# KiCad board Duet3_MB.kicad_pcb (continued)
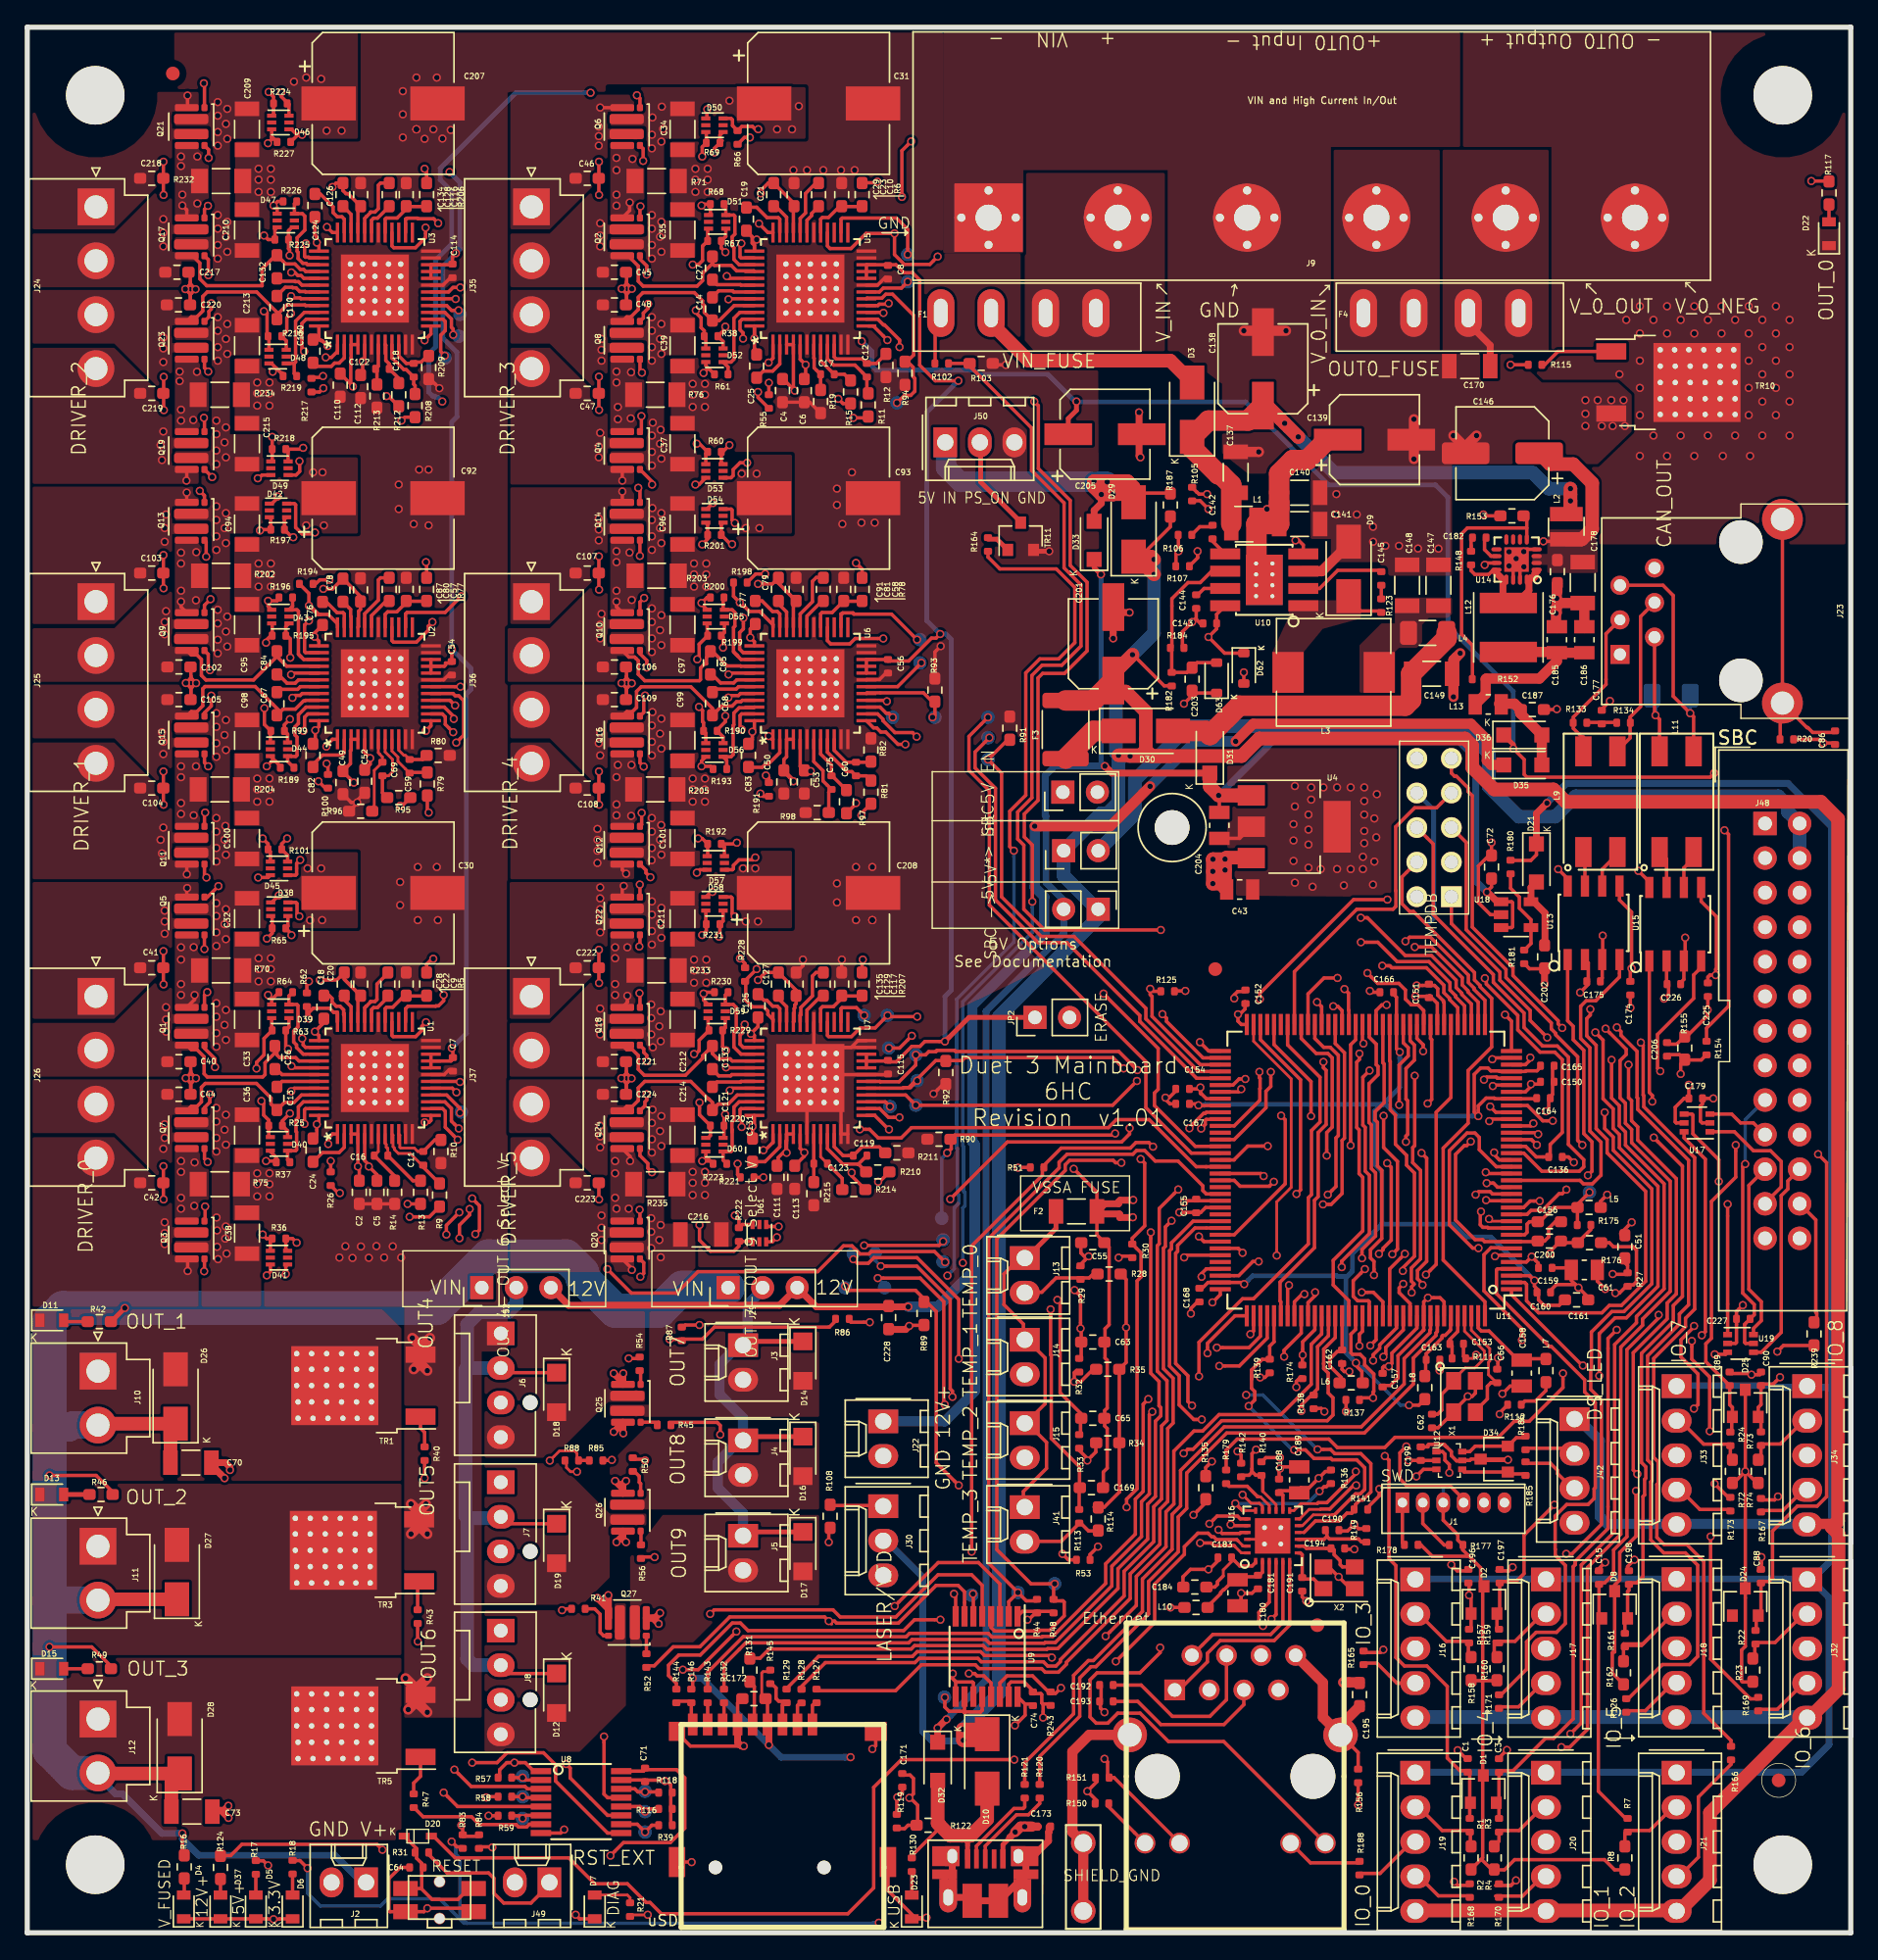
[diagram p0: board, top side]
## Placement (name value [footprint] x y rotation side) (continued)
J22  GND 12V+  [Wurth_61900211121-1x02_P2.54mm_Vertical-(Molex_KK-254_AE-6410-02Acompatible)]  62.9 36.3 270 top
J23  CAN_OUT  [RJ11_6P6C_half_shield]  125.93 97.1 90 top
J24  DRIVER_2  [JST_VH_B4P-VH_1x04_P3.96mm_Vertical]  5.05 126.8 270 top
J25  DRIVER_1  [JST_VH_B4P-VH_1x04_P3.96mm_Vertical]  5.05 97.8 270 top
J26  DRIVER_0  [JST_VH_B4P-VH_1x04_P3.96mm_Vertical]  5.05 68.8 270 top
J27  uSD_Socket  [uSD_SKT]  55.5 4.8 0 top
J28  TEMPDB  [MAX_TEMP_DB]  103.38 81.2 90 top
J29  OUT 7- OUT 9 Select V  [PinHeader_1x03_P2.54mm_Vertical]  51.5 47.4 90 top
J30  LASER/VFD  [Wurth_61900311121-1x03_P2.54mm_Vertical(Molex_KK-254_AE-6410-03A_Compatible)]  62.9 28.8 270 top
J32  IO_6  [Wurth_61900511121-1x05_P2.54mm_Vertical(Molex_KK-254_AE-6410-05A_Compatibe)]  130.8 20.88 270 top
J33  IO_7  [Wurth_61900511121-1x05_P2.54mm_Vertical(Molex_KK-254_AE-6410-05A_Compatibe)]  121.2 35.08 270 top
J34  IO_8  [Wurth_61900511121-1x05_P2.54mm_Vertical(Molex_KK-254_AE-6410-05A_Compatibe)]  130.8 35.08 270 top
J35  DRIVER_3  [JST_VH_B4P-VH_1x04_P3.96mm_Vertical]  37.05 126.8 270 top
J36  DRIVER_4  [JST_VH_B4P-VH_1x04_P3.96mm_Vertical]  37.05 97.8 270 top
J37  DRIVER_5  [JST_VH_B4P-VH_1x04_P3.96mm_Vertical]  37.05 68.8 270 top
J41  TEMP_3  [Wurth_61900211121-1x02_P2.54mm_Vertical-(Molex_KK-254_AE-6410-02Acompatible)]  73.3 30 270 top
J42  DS_LED  [Wurth_61900411121-1x04_P2.54mm_Vertical(Molex_KK-254_AE-6410-04A_Compatible)]  113.7 33.93 270 top
J43  USB  [uUSB_new]  70.4 2.6 0 top
J45  SHIELD_GND  [2.8mm_Spade_terminal]  77.6 4.1 180 top
J46  Ethernet  [RJ45+MAG]  88.76 11.49 180 top
J48  SBC  [IDC-Header_2x13_P2.54mm_Vertical]  127.7 81.5 0 top
J49  RST_EXT  [Wurth_61900211121-1x02_P2.54mm_Vertical-(Molex_KK-254_AE-6410-02Acompatible)]  37.1 3.7 180 top
J50  5V IN PS_ON GND  [Wurth_61900311121-1x03_P2.54mm_Vertical(Molex_KK-254_AE-6410-03A_Compatible)]  70 109.5 0 top
J52  OUT 4- OUT 6 Select V  [PinHeader_1x03_P2.54mm_Vertical]  33.4 47.4 90 top
JP1  Int 5V EN  [PinHeader_1x02_P2.54mm_Vertical]  76.1 83.8 90 top
JP2  ERASE  [PinHeader_1x02_P2.54mm_Vertical]  74.05 67.25 90 top
JP4  5V -> SBC  [PinHeader_1x02_P2.54mm_Vertical]  76.16 79.5 90 top
JP5  SBC -> 5V*  [PinHeader_1x02_P2.54mm_Vertical]  78.7 75.2 270 top
L1  1uH  [L_1008_2512Metric]  89.4 103.5 180 top
L2  1uH  [L_1008_2512Metric]  113.1 103.3 90 top
L3  6.8uH  [L_Wuerth_HCC-7443340680]  96 92.6 180 top
L4  80 Ohms @ 100MHz  [L_1206_3216Metric]  102.9 95.5 180 top
L5  1K @100Mhz  [R_0603_1608Metric_Wbry]  114.77 53.29 180 top
L6  1K @100Mhz  [R_0603_1608Metric_Wbry]  97.29 40.4 0 top
L7  1K @100Mhz  [R_0603_1608Metric_Wbry]  111.6 41.3 270 top
L8  1K @100Mhz  [R_0603_1608Metric_Wbry]  102.7 40.05 270 top
L9  CM Choke  [DR331]  115.6 83.1 90 top
L10  1K @100Mhz  [R_0603_1608Metric_Wbry]  85.89 23.9 0 top
L11  CM Choke  [DR331]  121.2 83.1 90 top
L12  4u7  [L_Taiyo-Yuden_NR-50xx]  108.84 95.9 90 top
L13  100 ohm, 4 A  [L_0805_2012Metric]  107.36 90.25 180 top
M1  FID  [Fiducial_1mm_Dia_2mm_Outer]  10.7 136.6 0 top
M2  FID  [Fiducial_1mm_Dia_2mm_Outer]  94.8 22.6 0 top
M3  FID  [Fiducial_1mm_Dia_2mm_Outer]  87.3 70.8 0 top
M4  MOUNTING  [MountingHole_4.3mm_M4]  5 135 0 top
M5  MOUNTING  [MountingHole_4.3mm_M4]  129 135 0 top
M6  MOUNTING  [MountingHole_4.3mm_M4]  5 5 0 top
M7  MOUNTING  [MountingHole_4.3mm_M4]  129 5 0 top
M9  FID  [Fiducial_1mm_Dia_2mm_Outer]  128.7 11.2 0 top
NT1  Net-Tie_2  [NetTie-2_SMD_Pad0.5mm]  80.81 53.82 0 top
NT2  Net-Tie_2  [NetTie-2_SMD_Pad0.5mm]  80.78 52.55 0 top
Q1  Q_DUAL_NMOS  [Fairchild_DualPower33-6_3x3mm]  12.05 66.6 270 top
Q2  Q_DUAL_NMOS  [Fairchild_DualPower33-6_3x3mm]  44.05 124.6 270 top
Q3  Q_DUAL_NMOS  [Fairchild_DualPower33-6_3x3mm]  12.05 50.9 270 top
Q4  Q_DUAL_NMOS  [Fairchild_DualPower33-6_3x3mm]  44.05 108.9 270 top
Q5  Q_DUAL_NMOS  [Fairchild_DualPower33-6_3x3mm]  12.05 74.7 270 top
Q6  Q_DUAL_NMOS  [Fairchild_DualPower33-6_3x3mm]  44.05 132.7 270 top
Q7  Q_DUAL_NMOS  [Fairchild_DualPower33-6_3x3mm]  12.05 59 270 top
Q8  Q_DUAL_NMOS  [Fairchild_DualPower33-6_3x3mm]  44.05 117 270 top
Q9  Q_DUAL_NMOS  [Fairchild_DualPower33-6_3x3mm]  12.05 95.6 270 top
Q10  Q_DUAL_NMOS  [Fairchild_DualPower33-6_3x3mm]  44.05 95.6 270 top
Q11  Q_DUAL_NMOS  [Fairchild_DualPower33-6_3x3mm]  12.05 79.9 270 top
Q12  Q_DUAL_NMOS  [Fairchild_DualPower33-6_3x3mm]  44.05 79.9 270 top
Q13  Q_DUAL_NMOS  [Fairchild_DualPower33-6_3x3mm]  12.05 103.7 270 top
Q14  Q_DUAL_NMOS  [Fairchild_DualPower33-6_3x3mm]  44.05 103.7 270 top
Q15  Q_DUAL_NMOS  [Fairchild_DualPower33-6_3x3mm]  12.05 88 270 top
Q16  Q_DUAL_NMOS  [Fairchild_DualPower33-6_3x3mm]  44.05 88 270 top
Q17  Q_DUAL_NMOS  [Fairchild_DualPower33-6_3x3mm]  12.05 124.6 270 top
Q18  Q_DUAL_NMOS  [Fairchild_DualPower33-6_3x3mm]  44.05 66.6 270 top
Q19  Q_DUAL_NMOS  [Fairchild_DualPower33-6_3x3mm]  12.05 108.9 270 top
Q20  Q_DUAL_NMOS  [Fairchild_DualPower33-6_3x3mm]  44.05 50.9 270 top
Q21  Q_DUAL_NMOS  [Fairchild_DualPower33-6_3x3mm]  12.05 132.7 270 top
Q22  Q_DUAL_NMOS  [Fairchild_DualPower33-6_3x3mm]  44.05 74.7 270 top
Q23  Q_DUAL_NMOS  [Fairchild_DualPower33-6_3x3mm]  12.05 117 270 top
Q24  Q_DUAL_NMOS  [Fairchild_DualPower33-6_3x3mm]  44.05 59 270 top
Q25  Q_DUAL_NMOS  [Fairchild_DualPower33-6_3x3mm]  44.1 38.9 270 top
Q26  Q_DUAL_NMOS  [Fairchild_DualPower33-6_3x3mm]  44.1 30.9 270 top
Q27  Q_DUAL_NMOS  [Fairchild_DualPower33-6_3x3mm]  44.1 22.8 180 top
R1  10K  [R_0402_1005Metric_Wbry]  106 7.9 270 top
R2  27K  [R_0603_1608Metric_Wbry]  106.1 5.5 270 top
R3  10K  [R_0402_1005Metric_Wbry]  108.15 7.9 270 top
R4  27K  [R_0603_1608Metric_Wbry]  107.8 5.5 270 top
R5  2R2 1%  [R_0603_1608Metric_Wbry]  29.35 69.7 270 top
R6  2R2 1%  [R_0603_1608Metric_Wbry]  61.35 127.7 270 top
R7  10K  [R_0402_1005Metric_Wbry]  117.6 7.9 270 top
R8  27K  [R_0603_1608Metric_Wbry]  117.4 5.5 270 top
R9  47R 1%  [R_0603_1608Metric_Wbry]  30.3 54.2 270 top
R10  47R 1%  [R_0603_1608Metric_Wbry]  30.4 57.4 270 top
R11  47R 1%  [R_0603_1608Metric_Wbry]  61.8 112.25 270 top
R12  47R 1%  [R_0603_1608Metric_Wbry]  63.1 115.15 270 top
R13  47R 1%  [R_0603_1608Metric_Wbry]  28.9 54.4 270 top
R14  47R 1%  [R_0603_1608Metric_Wbry]  27 54.4 270 top
R15  47R 1%  [R_0603_1608Metric_Wbry]  60.5 113.2 270 top
R16  10K  [R_0603_1608Metric_Wbry]  11.54 4.84 270 top
R17  2K2  [R_0402_1005Metric_Wbry]  16.8 4.8 270 top
R18  180R  [R_0402_1005Metric_Wbry]  19.5 4.82 270 top
R19  47R 1%  [R_0603_1608Metric_Wbry]  58.3 112.5 270 top
R20  100K  [R_0402_1005Metric_Wbry]  129.3 87.68 0 top
R21  1K  [R_0402_1005Metric_Wbry]  44.3 1.7 90 top
R22  10K  [R_0402_1005Metric_Wbry]  127 21.71 270 top
R23  27K  [R_0603_1608Metric_Wbry]  126.8 19.3 270 top
R24  10K  [R_0402_1005Metric_Wbry]  125.15 36.29 270 top
R25  150R  [R_0402_1005Metric_Wbry]  18.25 59.3 180 top
R26  150R  [R_0402_1005Metric_Wbry]  22.3 55.4 270 top
R27  10K  [R_0402_1005Metric_Wbry]  117.6 47.99 90 top
R28  2K2 0.1%  [R_0603_1608Metric_Wbry]  79.5 48.4 180 top
R29  10K  [R_0402_1005Metric_Wbry]  77.4 48.5 90 top
R30  10K  [R_0402_1005Metric_Wbry]  81.2 50.1 270 top
R31  220R  [R_0402_1005Metric_Wbry]  29 5.9 180 top
R32  10K  [R_0402_1005Metric_Wbry]  77.3 41.7 90 top
R33  10K  [R_0402_1005Metric_Wbry]  77.3 36.1 90 top
R34  2K2 0.1%  [R_0603_1608Metric_Wbry]  79.4 36 180 top
R35  2K2 0.1%  [R_0603_1608Metric_Wbry]  79.4 41.4 180 top
R36  150R  [R_0402_1005Metric_Wbry]  18.5 51 180 top
R37  150R  [R_0402_1005Metric_Wbry]  18.8 56.61 180 top
R38  150R  [R_0402_1005Metric_Wbry]  50.25 117.3 180 top
R39  10K  [R_0402_1005Metric_Wbry]  46.9 7.9 180 top
R40  180R  [R_0402_1005Metric_Wbry]  29.2 35.2 270 top
R41  1K  [R_0402_1005Metric_Wbry]  40.5 23.8 180 top
R42  4K7  [R_0603_1608Metric_Wbry]  5.3 44.9 0 top
R43  180R  [R_0402_1005Metric_Wbry]  28.69 23.23 270 top
R44  10K  [R_0402_1005Metric_Wbry]  74.2 24 90 top
R45  1K  [R_0402_1005Metric_Wbry]  46.8 37.3 0 top
R46  4K7  [R_0603_1608Metric_Wbry]  5.43 32.2 0 top
R47  180R  [R_0402_1005Metric_Wbry]  28.4 9.7 270 top
R48  10K  [R_0402_1005Metric_Wbry]  75.42 24 90 top
R49  4K7  [R_0603_1608Metric_Wbry]  5.3 19.4 0 top
R50  1K  [R_0402_1005Metric_Wbry]  44.5 34.4 90 top
R51  10K  [R_0402_1005Metric_Wbry]  74.21 56.23 0 top
R52  1K  [R_0402_1005Metric_Wbry]  45.5 20 270 top
R53  10K  [R_0402_1005Metric_Wbry]  77.6 27.4 0 top
R54  1K  [R_0402_1005Metric_Wbry]  45 41.8 90 top
R55  150R  [R_0402_1005Metric_Wbry]  54.5 112.5 270 top
R56  1K  [R_0402_1005Metric_Wbry]  45.1 28 270 top
R57  10K  [R_0402_1005Metric_Wbry]  35.1 11.4 0 top
R58  10K  [R_0402_1005Metric_Wbry]  35.1 10 0 top
R59  10K  [R_0402_1005Metric_Wbry]  35.1 8.6 0 top
R60  150R  [R_0402_1005Metric_Wbry]  50.5 108.8 180 top
R61  150R  [R_0402_1005Metric_Wbry]  51 114.5 180 top
R62  150R  [R_0402_1005Metric_Wbry]  20.55 68.55 90 top
R63  150R  [R_0402_1005Metric_Wbry]  18.5 66.3 180 top
R64  150R  [R_0402_1005Metric_Wbry]  19 69.1 180 top
R65  150R  [R_0402_1005Metric_Wbry]  18.5 73.8 180 top
R66  150R  [R_0402_1005Metric_Wbry]  52.2 131.9 270 top
R67  150R  [R_0402_1005Metric_Wbry]  50.5 124.3 180 top
R68  150R  [R_0402_1005Metric_Wbry]  50.7 127 180 top
R69  150R  [R_0402_1005Metric_Wbry]  50.4 131.5 180 top
R70  0R05 1% 1W  [R_1206_3216Metric_Pad1.24x1.80mm_HandSolder]  14.25 70.7 180 top
R71  0R05 1% 1W  [R_1206_3216Metric_Pad1.24x1.80mm_HandSolder]  46.25 128.7 180 top
R72  27K  [R_0603_1608Metric_Wbry]  125.3 33.9 270 top
R73  10K  [R_0402_1005Metric_Wbry]  127.4 36.3 270 top
R74  27K  [R_0603_1608Metric_Wbry]  127.2 33.9 270 top
R75  0R05 1% 1W  [R_1206_3216Metric_Pad1.24x1.80mm_HandSolder]  14.15 55 180 top
R76  0R05 1% 1W  [R_1206_3216Metric_Pad1.24x1.80mm_HandSolder]  46.15 113 180 top
R77  2R2 1%  [R_0603_1608Metric_Wbry]  29.35 98.7 270 top
R78  2R2 1%  [R_0603_1608Metric_Wbry]  61.35 98.7 270 top
R79  47R 1%  [R_0603_1608Metric_Wbry]  29.4 84.4 270 top
R80  47R 1%  [R_0603_1608Metric_Wbry]  30.2 86.5 0 top
R81  47R 1%  [R_0603_1608Metric_Wbry]  62 83.8 270 top
R82  47R 1%  [R_0603_1608Metric_Wbry]  62 86.9 90 top
R83  10K  [R_0402_1005Metric_Wbry]  32 6.7 270 top
R84  10K  [R_0402_1005Metric_Wbry]  33.2 6.7 270 top
R85  10K  [R_0402_1005Metric_Wbry]  41.8 34.7 0 top
R86  10K  [R_0402_1005Metric_Wbry]  59.9 45.1 0 top
R87  10K  [R_0402_1005Metric_Wbry]  48.1 44 90 top
R88  10K  [R_0402_1005Metric_Wbry]  40.01 34.7 180 top
R89  4K7  [R_0603_1608Metric_Wbry]  65.9 45.5 270 top
R90  4K7  [R_0603_1608Metric_Wbry]  67 58.3 180 top
R91  4K7  [R_0603_1608Metric_Wbry]  72.2 88.5 90 top
R92  4K7  [R_0603_1608Metric_Wbry]  67.5 63.2 270 top
R93  4K7  [R_0603_1608Metric_Wbry]  66.7 91.3 90 top
R94  4K7  [R_0603_1608Metric_Wbry]  64.5 114.57 270 top
R95  47R 1%  [R_0603_1608Metric_Wbry]  27.3 83.4 0 top
R96  47R 1%  [R_0603_1608Metric_Wbry]  24.5 82.4 180 top
R97  47R 1%  [R_0603_1608Metric_Wbry]  60.2 83.1 270 top
R98  47R 1%  [R_0603_1608Metric_Wbry]  58.05 82.3 180 top
R99  150R  [R_0402_1005Metric_Wbry]  18.4 88.3 180 top
R100  150R  [R_0402_1005Metric_Wbry]  22.1 84.6 270 top
R101  150R  [R_0402_1005Metric_Wbry]  18.2 79.6 180 top
R102  60K4  [R_0402_1005Metric_Wbry]  67.2 115.3 0 top
R103  4K7  [R_0603_1608Metric_Wbry]  70.1 115.3 0 top
R105  16K  [R_0402_1005Metric_Wbry]  85.6 105.7 90 top
R106  37K4  [R_0402_1005Metric_Wbry]  85.08 102.7 180 top
R107  100K  [R_0402_1005Metric_Wbry]  84.9 100.4 180 top
R108  100R  [R_0603_1608Metric_Wbry]  59 30.6 90 top
R109  DNP - 120R  [R_1206_3216Metric]  120.8 90.9 0 bottom
R111  5K62  [R_0402_1005Metric_Wbry]  105.2 42.2 180 top
R112  2R2  [R_0402_1005Metric_Wbry]  109.28 38.8 0 top
R113  10K  [R_0402_1005Metric_Wbry]  77.3 30.6 90 top
R114  2K2 0.1%  [R_0603_1608Metric_Wbry]  78.7 30.4 270 top
R115  180R  [R_0402_1005Metric_Wbry]  110.8 115.2 180 top
R116  10K  [R_0402_1005Metric_Wbry]  46.9 9.1 180 top
R117  4K7  [R_0603_1608Metric_Wbry]  132.4 127.83 90 top
R118  10K  [R_0402_1005Metric_Wbry]  46.9 10.3 180 top
R119  47K  [R_0402_1005Metric_Wbry]  63.9 8.2 90 top
R120  27R  [R_0402_1005Metric_Wbry]  74.4 10.4 90 top
R121  27R  [R_0402_1005Metric_Wbry]  73.3 10.4 90 top
R122  27K  [R_0603_1608Metric_Wbry]  66.2 7.9 180 top
R123  15R  [R_0402_1005Metric_Wbry]  99.5 97.5 90 top
R124  4K7  [R_0603_1608Metric_Wbry]  14.2 4.8 270 top
R125  10K  [R_0402_1005Metric_Wbry]  83.8 69.17 0 top
R126  470R  [R_0402_1005Metric_Wbry]  117.5 16.7 270 top
R127  220R  [R_0402_1005Metric_Wbry]  58 17.4 90 top
R128  220R  [R_0402_1005Metric_Wbry]  56.9 17.39 90 top
R129  220R  [R_0402_1005Metric_Wbry]  55.8 17.4 90 top
R130  2K2  [R_0402_1005Metric_Wbry]  65 5 270 top
R131  100R  [R_0603_1608Metric_Wbry]  53.1 19.3 90 top
R132  220R  [R_0402_1005Metric_Wbry]  51.2 17.4 90 top
R133  59R  [R_0402_1005Metric_Wbry]  114.1 88.9 0 top
R134  59R  [R_0402_1005Metric_Wbry]  117.3 88.9 0 top
R135  4K7  [R_0603_1608Metric_Wbry]  86.6 32.7 90 top
R136  1K  [R_0402_1005Metric_Wbry]  95.8 33.5 270 top
R137  10K DNP  [R_0402_1005Metric_Wbry]  97.4 39.15 180 top
R138  10K DNP  [R_0402_1005Metric_Wbry]  94.53 39 270 top
R139  1.5K DNP  [R_0402_1005Metric_Wbry]  91.3 41.64 90 top
R140  10K DNP  [R_0402_1005Metric_Wbry]  90.69 34.1 90 top
R141  1K  [R_0402_1005Metric_Wbry]  98 31.1 180 top
R142  10K  [R_0402_1005Metric_Wbry]  89.2 34 90 top
R143  220R  [R_0402_1005Metric_Wbry]  50 17.4 90 top
R144  220R  [R_0402_1005Metric_Wbry]  47.7 17.4 90 top
R145  10K  [R_0402_1005Metric_Wbry]  54.6 18.8 90 top
R146  10K  [R_0402_1005Metric_Wbry]  48.8 17.4 90 top
R148  10R  [R_0402_1005Metric_Wbry]  106.1 101 270 top
R149  6K49  [R_0402_1005Metric_Wbry]  98.4 29.2 90 top
R150  470R  [R_0402_1005Metric_Wbry]  78.97 9.5 0 top
R151  10K  [R_0402_1005Metric_Wbry]  79 11.4 0 top
R152  60K4  [R_0402_1005Metric_Wbry]  106.69 92.1 180 top
R153  4K7  [R_0603_1608Metric_Wbry]  109.1 104.1 180 top
R154  60K4  [R_0402_1005Metric_Wbry]  123.4 65 270 top
R155  4K7  [R_0603_1608Metric_Wbry]  121.8 65 90 top
R156  1M  [R_0402_1005Metric_Wbry]  97.8 11.53 90 top
R157  10K  [R_0402_1005Metric_Wbry]  105.95 21.8 270 top
R158  27K  [R_0603_1608Metric_Wbry]  106.1 19.4 270 top
R159  10K  [R_0402_1005Metric_Wbry]  108.15 21.8 270 top
R160  27K  [R_0603_1608Metric_Wbry]  108 19.4 270 top
R161  10K  [R_0402_1005Metric_Wbry]  117.4 21.5 270 top
R162  27K  [R_0603_1608Metric_Wbry]  117.3 19.1 270 top
R164  1K  [R_0402_1005Metric_Wbry]  70.6 102 270 top
R165  470R  [R_0402_1005Metric_Wbry]  98.2 20.2 270 top
R166  470R  [R_0402_1005Metric_Wbry]  125.2 13.2 270 top
R167  470R  [R_0402_1005Metric_Wbry]  127.4 31.41 270 top
R168  470R  [R_0402_1005Metric_Wbry]  106 3.1 270 top
R169  470R  [R_0402_1005Metric_Wbry]  127.2 16.8 270 top
R170  470R  [R_0402_1005Metric_Wbry]  108.15 3.1 270 top
R171  470R  [R_0402_1005Metric_Wbry]  108.15 16.99 90 top
R173  470R  [R_0402_1005Metric_Wbry]  125.15 31.49 90 top
R174  10K  [R_0402_1005Metric_Wbry]  93.7 41.21 270 top
R175  15R  [R_0402_1005Metric_Wbry]  114.4 52 0 top
R176  4K7  [R_0603_1608Metric_Wbry]  114.8 50.7 0 top
R177  100K  [R_0402_1005Metric_Wbry]  105 28.49 0 top
R178  100K  [R_0402_1005Metric_Wbry]  101.7 28.5 0 top
R179  27R  [R_0402_1005Metric_Wbry]  88.1 33.5 270 top
R180  16K  [R_0402_1005Metric_Wbry]  109 78.3 270 top
R181  5K1  [R_0402_1005Metric_Wbry]  110 71.7 270 top
R182  820R  [R_0402_1005Metric_Wbry]  84.1 92.1 90 top
R184  150R  [R_0402_1005Metric_Wbry]  84.5 94.4 0 top
R185  470R  [R_0402_1005Metric_Wbry]  110.1 34.1 270 top
R186  470R  [R_0402_1005Metric_Wbry]  110.1 35.99 90 top
R187  220R >125mW  [R_0603_1608Metric_Wbry]  84 104.9 90 top
R188  470R  [R_0402_1005Metric_Wbry]  97.9 4.75 270 top
R189  150R  [R_0402_1005Metric_Wbry]  19.1 85.6 180 top
R190  150R  [R_0402_1005Metric_Wbry]  50.2 88.3 180 top
R191  150R  [R_0402_1005Metric_Wbry]  54.5 84 270 top
R192  150R  [R_0402_1005Metric_Wbry]  50.5 80 180 top
R193  150R  [R_0402_1005Metric_Wbry]  50.9 85.5 180 top
R194  150R  [R_0402_1005Metric_Wbry]  20.5 99.1 0 top
R195  150R  [R_0402_1005Metric_Wbry]  18.5 95.3 180 top
R196  150R  [R_0402_1005Metric_Wbry]  19 98.1 180 top
R197  150R  [R_0402_1005Metric_Wbry]  18.4 103.09 180 top
R198  150R  [R_0402_1005Metric_Wbry]  52.4 99.2 0 top
R199  150R  [R_0402_1005Metric_Wbry]  50.5 95.3 180 top
R200  150R  [R_0402_1005Metric_Wbry]  50.7 98.1 180 top
R201  150R  [R_0402_1005Metric_Wbry]  50.5 102.7 180 top
R202  0R05 1% 1W  [R_1206_3216Metric_Pad1.24x1.80mm_HandSolder]  14.25 99.7 180 top
R203  0R05 1% 1W  [R_1206_3216Metric_Pad1.24x1.80mm_HandSolder]  46.25 99.7 180 top
R204  0R05 1% 1W  [R_1206_3216Metric_Pad1.24x1.80mm_HandSolder]  14.15 84 180 top
R205  0R05 1% 1W  [R_1206_3216Metric_Pad1.24x1.80mm_HandSolder]  46.15 84 180 top
R206  2R2 1%  [R_0603_1608Metric_Wbry]  29.35 127.7 270 top
R207  2R2 1%  [R_0603_1608Metric_Wbry]  61.35 69.7 270 top
R208  47R 1%  [R_0603_1608Metric_Wbry]  28.5 112.2 270 top
R209  47R 1%  [R_0603_1608Metric_Wbry]  29.5 115 270 top
R210  47R 1%  [R_0603_1608Metric_Wbry]  62.5 55.9 0 top
R211  47R 1%  [R_0603_1608Metric_Wbry]  63.9 57.3 0 top
R212  47R 1%  [R_0603_1608Metric_Wbry]  27.3 113 270 top
R213  47R 1%  [R_0603_1608Metric_Wbry]  25.7 112.9 270 top
R214  47R 1%  [R_0603_1608Metric_Wbry]  60.74 54.6 0 top
R215  47R 1%  [R_0603_1608Metric_Wbry]  57.8 54.3 270 top
R216  150R  [R_0402_1005Metric_Wbry]  18.2 117.3 180 top
R217  150R  [R_0402_1005Metric_Wbry]  20.89 113.7 270 top
R218  150R  [R_0402_1005Metric_Wbry]  18.5 109 180 top
R219  150R  [R_0402_1005Metric_Wbry]  19.3 114.37 180 top
R220  150R  [R_0402_1005Metric_Wbry]  50.7 59.3 180 top
R221  150R  [R_0402_1005Metric_Wbry]  52.9 55.5 0 top
R222  150R  [R_0402_1005Metric_Wbry]  52.3 51.3 270 top
R223  150R  [R_0402_1005Metric_Wbry]  50.9 56.5 180 top
R224  150R  [R_0402_1005Metric_Wbry]  18.6 134.4 180 top
R225  150R  [R_0402_1005Metric_Wbry]  18.7 124.4 180 top
R226  150R  [R_0402_1005Metric_Wbry]  19.3 127.2 180 top
R227  150R  [R_0402_1005Metric_Wbry]  18.86 131.57 180 top
R228  150R  [R_0402_1005Metric_Wbry]  52.75 70.4 90 top
R229  150R  [R_0402_1005Metric_Wbry]  50.6 66.3 180 top
R230  150R  [R_0402_1005Metric_Wbry]  51 69.1 180 top
R231  150R  [R_0402_1005Metric_Wbry]  50.4 74.1 180 top
R232  0R05 1% 1W  [R_1206_3216Metric_Pad1.24x1.80mm_HandSolder]  14.25 128.7 180 top
R233  0R05 1% 1W  [R_1206_3216Metric_Pad1.24x1.80mm_HandSolder]  46.25 70.7 180 top
R234  0R05 1% 1W  [R_1206_3216Metric_Pad1.24x1.80mm_HandSolder]  14.15 113 180 top
R235  0R05 1% 1W  [R_1206_3216Metric_Pad1.24x1.80mm_HandSolder]  46.15 55 180 top
R239  1K  [R_0603_1608Metric_Wbry]  131.3 44 270 top
R243  10K  [R_0402_1005Metric_Wbry]  75.2 17.2 90 top
S1  RESET  [SW_SIDE_1_lugs]  30.3 2.4 0 top
TP1  D0_STEP  [TestPoint_Pad_D1.0mm]  60.1 47.4 90 bottom
TP2  D0_DIR  [TestPoint_Pad_D1.0mm]  63 47.4 90 bottom
TP3  D0_DIAG0  [TestPoint_Pad_D1.0mm]  62.3 49.9 0 bottom
TP4  D1_STEP  [TestPoint_Pad_D1.0mm]  67.2 52.5 0 bottom
TP5  D1_DIR  [TestPoint_Pad_D1.0mm]  67.3 50.9 0 bottom
TP6  D1_DIAG0  [TestPoint_Pad_D1.0mm]  67.3 49.3 0 bottom
TP7  OUT_0  [TestPoint_Pad_D1.0mm]  67.4 17.3 0 bottom
TP8  OUT_1  [TestPoint_Pad_D1.0mm]  36.4 11.5 0 bottom
TP9  OUT_2  [TestPoint_Pad_D1.0mm]  36.4 10 0 bottom
TP10  OUT_3  [TestPoint_Pad_D1.0mm]  36.4 8.4 0 bottom
TP11  OUT_4  [TestPoint_Pad_D1.0mm]  45.4 7.4 0 bottom
TP12  OUT_5  [TestPoint_Pad_D1.0mm]  45.4 10.4 0 bottom
TP13  OUT_6  [TestPoint_Pad_D1.0mm]  45.4 8.9 0 bottom
TP14  OUT_7  [TestPoint_Pad_D1.0mm]  72.8 25 180 bottom
TP15  OUT_8  [TestPoint_Pad_D1.0mm]  75.5 25.64 0 bottom
TP16  OUT_9  [TestPoint_Pad_D1.0mm]  69.4 24.8 0 bottom
TP17  D2_STEP  [TestPoint_Pad_D1.0mm]  70.6 86.2 0 bottom
TP18  D0_SDO  [TestPoint_Pad_D1.0mm]  31.9 60.3 0 bottom
TP19  D1_SDO  [TestPoint_Pad_D1.0mm]  31.7 117.3 0 bottom
TP20  D2_SDO  [TestPoint_Pad_D1.0mm]  31.8 118.9 0 bottom
TP21  D3_SDO  [TestPoint_Pad_D1.0mm]  63.6 89.3 0 bottom
TP22  D4_SDO  [TestPoint_Pad_D1.0mm]  63.4 60.7 0 bottom
TP23  D_ENN  [TestPoint_Pad_D1.0mm]  63.2 67.4 0 bottom
TP24  D_CS  [TestPoint_Pad_D1.0mm]  63.3 65 0 bottom
TP25  RXD1  [TestPoint_Pad_D1.0mm]  65.3 60.8 0 bottom
TP26  TXD1  [TestPoint_Pad_D1.0mm]  60.7 49.9 0 bottom
TP27  SCK1  [TestPoint_Pad_D1.0mm]  30.7 115.7 0 bottom
TP28  D2_DIR  [TestPoint_Pad_D1.0mm]  70.6 87.8 0 bottom
TP29  D2_DIAG0  [TestPoint_Pad_D1.0mm]  70.6 89.3 90 bottom
TP30  D3_STEP  [TestPoint_Pad_D1.0mm]  63.91 112.4 0 bottom
TP31  D3_DIR  [TestPoint_Pad_D1.0mm]  64.7 121.3 0 bottom
TP32  D3_DIAG0  [TestPoint_Pad_D1.0mm]  64.7 123.3 0 bottom
TP33  D4_STEP  [TestPoint_Pad_D1.0mm]  66.7 89.3 0 bottom
TP34  D4_DIR  [TestPoint_Pad_D1.0mm]  65.6 93.3 0 bottom
TP35  D4_DIAG0  [TestPoint_Pad_D1.0mm]  65.6 95 0 bottom
TP36  D5_STEP  [TestPoint_Pad_D1.0mm]  65.4 62.6 0 bottom
TP37  D5_DIR  [TestPoint_Pad_D1.0mm]  65.3 64.5 0 bottom
TP38  D5_DIAG0  [TestPoint_Pad_D1.0mm]  61.5 67.4 0 bottom
TP39  VREFP  [TestPoint_Pad_D1.0mm]  114.8 54.4 0 bottom
TR1  AOD4184A  [TO-252-2_vias]  24.7 40.2 180 top
TR3  AOD4184A  [TO-252-2_vias]  24.6 28.1 180 top
TR5  AOD4184A  [TO-252-2_vias]  24.7 15.2 180 top
TR10  IPD036N04L  [TO-252-2_vias]  120.6 113.9 0 top
TR11  AO3400A  [SOT-23]  73 102.6 90 top
U1  TMC5160  [TMC5160-TA]  25.55 62.8 90 top
U2  TMC5160  [TMC5160-TA]  25.55 91.8 90 top
U3  TMC5160  [TMC5160-TA]  25.55 120.8 90 top
U4  AP7361C-33E-13  [SOT-223]  93.1 81.26 0 top
U5  TMC5160  [TMC5160-TA]  57.55 120.8 90 top
U6  TMC5160  [TMC5160-TA]  57.55 91.8 90 top
U7  TMC5160  [TMC5160-TA]  57.55 62.8 90 top
U8  74HCT365  [TSSOP-16_4.4x5mm_P0.65mm]  40.7 9.6 0 top
U9  74HCT365  [TSSOP-16_4.4x5mm_P0.65mm]  70.5 20.3 270 top
U10  AOZ1284  [SO8_EP1_ThermalVias_LargeCopper]  90.9 99.4 180 top
U11  ATSAME70Q20B-AN  [LQFP-144_20x20mm_P0.5mm]  98.37 56.03 180 top
U12  74HCT2G34GW,125  [SOT-363]  104.5 34.7 270 top
U13  MCP2542  [SOIC-8_3.9x4.9mm_P1.27mm]  115.1 74.2 90 top
U14  TS30041  [QFN-16-1EP_3x3mm_P0.5mm_EP1.8x1.8mm]  109.44 100.89 180 top
U15  MCP2542  [SOIC-8_3.9x4.9mm_P1.27mm]  121.1 74.1 90 top
U16  KSZ8081RNACA  [KSZ8081RNA _QFN-24-1EP_4x4mm_P0.5mm_EP2.6x2.6mm]  91.52 29.16 90 top
U17  74LVC2G34  [SOT-363_SC-70-6]  122.7 59.5 180 top
U18  AP2127K-ADJ  [SOT-23-5]  109.4 74.8 0 top
U19  74LVC2G34  [SOT-363_SC-70-6]  125.9 43.3 0 top
X1  ECS-120-10-33B-CKM-TR  [Crystal_SMD_ECS-33B-4Pin_3.2x2.5mm]  105.62 39.4 270 top
X2  25Mhz  [Crystal_SMD_ECS-33B-4Pin_3.2x2.5mm]  96.4 26.08 0 top

## Library data of the parts
J28 = -: Field4: <10mm max height

## Footprints (pads in the part's own frame, mm; a bottom-side part is the same pattern mirrored in y, then rotated)
2.8mm_Spade_terminal
  round 1.8 hole 1.3: 1(0,2.5) 1(0,-2.5)
C_0402_1005Metric_Wbry
  rrect 0.5x0.6 smd: 1(-0.5,0) 2(0.5,0)
C_0603_1608Metric_Wbry
  rrect 0.9x0.8 smd: 1(-0.85,0) 2(0.85,0)
C_0805_2012Metric
  rect 0.97x1.5 smd: 1(-0.955,0) 2(0.955,0)
C_1206_3216Metric
  rect 1.07x1.8 smd: 1(-1.505,0) 2(1.505,0)
CP_Elec_6.3x7.7
  rect 3.5x1.6 smd: 1(-2.7,0) 2(2.7,0)
CP_Elec_6.3x7.7#2
  rrect 3.5x1.6 smd: 1(-2.7,0) 2(2.7,0)
CP_Elec_10x10
  rect 4x2.5 smd: 1(-4,0) 2(4,0)
Crystal_SMD_ECS-33B-4Pin_3.2x2.5mm
  rect 1.3x1.1 smd: 1(-1.15,-0.8) 2(1.15,-0.8) 3(1.15,0.8) 4(-1.15,0.8)
D_SMA
  rect 2.5x1.8 smd: 1(-2,0) 2(2,0)
D_SOD-123F
  rect 1.1x1.1 smd: 1(-1.4,0) 2(1.4,0)
D_SOD-323-Onsemi
  rrect 0.63x0.83 smd: 1(-1.115,0) 2(1.115,0)
DO-219AB
  rect 1.3x1.4 smd: 1(-1.45,0) 2(1.45,0)
DR331
  rect 2.2x1.2 smd: 1(-3.7,1.25) 2(-3.7,-1.25) 3(3.7,-1.25) 4(3.7,1.25)
Fairchild_DualPower33-6_3x3mm
  rrect 0.35x0.35 smd: (-1.39,0.975) (-1.39,0.325) (-1.39,-0.325) (-1.39,-0.975) (1.39,0.975) (1.39,0.325) (1.39,-0.325) (1.39,-0.975)
  rrect 0.65x0.8 smd: (-0.55,0.5) (-0.55,-0.5) (0.55,0.5) (0.55,-0.5)
  rrect 0.52x0.45 smd: 1(-1.39,0.975) 4(1.39,0.975)
  rrect 0.52x1.75 smd: 2(-1.39,-0.325) 3(1.39,-0.325)
  rrect 0.75x2.52 smd: 5(-0.55,0) 6(0.55,0)
FanPinHeader_1x04_P2.54mm_Vertical
  round 1.1 hole 1.1 unplated: (5.08,2.16)
  rect 1.73x2.03 hole 1.02: 1(0,0)
  oval 1.73x2.03 hole 1.02: 2(2.54,0) 3(5.08,0) 4(7.62,0)
Fiducial_1mm_Dia_2mm_Outer
  round 1 smd: ~(0,0)
Fuse_1206_3216Metric
  rect 1.07x1.8 smd: 1(-1.505,0) 2(1.505,0)
Fuse_1812_4532Metric
  rrect 1.125x3.4 smd: 1(-2.138,0) 2(2.138,0)
IDC-Header_2x13_P2.54mm_Vertical
  rect 1.727x1.727 hole 1.016: 1(0,0)
  oval 1.727x1.727 hole 1.016: 2(2.54,0) 3(0,-2.54) 4(2.54,-2.54) 5(0,-5.08) 6(2.54,-5.08) 7(0,-7.62) 8(2.54,-7.62) 9(0,-10.16) 10(2.54,-10.16) 11(0,-12.7) 12(2.54,-12.7) 13(0,-15.24) 14(2.54,-15.24) 15(0,-17.78) 16(2.54,-17.78) 17(0,-20.32) 18(2.54,-20.32) 19(0,-22.86) 20(2.54,-22.86) 21(0,-25.4) 22(2.54,-25.4) 23(0,-27.94) 24(2.54,-27.94) 25(0,-30.48) 26(2.54,-30.48)
JST_VH_B2P-VH-B_1x02_P3.96mm_Vertical
  rect 2.7x2.7 hole 1.7: 1(0,0)
  round 2.7 hole 1.7: 2(3.96,0)
JST_VH_B4P-VH_1x04_P3.96mm_Vertical
  rect 2.7x2.7 hole 1.7: 1(0,0)
  round 2.7 hole 1.7: 2(3.96,0) 3(7.92,0) 4(11.88,0)
JST_ZH_1x06_P1.5_B6B-ZR-SM4-TF
  rect 1x1.5 hole 0.7: 1(3.75,0)
  oval 1x1.5 hole 0.7: 2(2.25,0) 3(0.75,0) 4(-0.75,0) 5(-2.25,0) 6(-3.75,0)
KSZ8081RNA _QFN-24-1EP_4x4mm_P0.5mm_EP2.6x2.6mm
  rect 1x1 smd: (-0.6,0.6) (-0.6,-0.6) (0.6,0.6) (0.6,-0.6)
  rect 0.48x0.23 smd: 1(-1.86,1.25) 2(-1.86,0.75) 3(-1.86,0.25) 4(-1.86,-0.25) 5(-1.86,-0.75) 6(-1.86,-1.25) 13(1.86,-1.25) 14(1.86,-0.75) 15(1.86,-0.25) 16(1.86,0.25) 17(1.86,0.75) 18(1.86,1.25)
  rect 0.23x0.48 smd: 7(-1.25,-1.86) 8(-0.75,-1.86) 9(-0.25,-1.86) 10(0.25,-1.86) 11(0.75,-1.86) 12(1.25,-1.86) 19(1.25,1.86) 20(0.75,1.86) 21(0.25,1.86) 22(-0.25,1.86) 23(-0.75,1.86) 24(-1.25,1.86)
  round 0.6 hole 0.35: 25(-0.6,0.6) 25(-0.6,-0.6) 25(0.6,0.6) 25(0.6,-0.6)
  rect 2.6x2.6 smd: 25(0,0)
L_0805_2012Metric
  rect 0.97x1.5 smd: 1(-0.955,0) 2(0.955,0)
L_1008_2512Metric
  rect 1.05x2.4 smd: 1(-0.925,0) 2(0.925,0)
L_1206_3216Metric
  rrect 1.25x1.75 smd: 1(-1.4,0) 2(1.4,0)
L_Taiyo-Yuden_NR-50xx
  rect 1.5x4.2 smd: 1(-1.8,0) 2(1.8,0)
L_Wuerth_HCC-7443340680
  rect 2.3x3 smd: 1(-3.35,0) 2(3.35,0)
LED_0603_1608Metric
  rect 0.67x1 smd: 1(-0.875,0) 2(0.875,0)
LQFP-144_20x20mm_P0.5mm
  rect 1.55x0.3 smd: 1(-10.7,8.75) 2(-10.7,8.25) 3(-10.7,7.75) 4(-10.7,7.25) 5(-10.7,6.75) 6(-10.7,6.25) 7(-10.7,5.75) 8(-10.7,5.25) 9(-10.7,4.75) 10(-10.7,4.25) 11(-10.7,3.75) 12(-10.7,3.25) 13(-10.7,2.75) 14(-10.7,2.25) 15(-10.7,1.75) 16(-10.7,1.25) 17(-10.7,0.75) 18(-10.7,0.25) 19(-10.7,-0.25) 20(-10.7,-0.75) 21(-10.7,-1.25) 22(-10.7,-1.75) 23(-10.7,-2.25) 24(-10.7,-2.75) 25(-10.7,-3.25) 26(-10.7,-3.75) 27(-10.7,-4.25) 28(-10.7,-4.75) 29(-10.7,-5.25) 30(-10.7,-5.75) 31(-10.7,-6.25) 32(-10.7,-6.75) 33(-10.7,-7.25) 34(-10.7,-7.75) 35(-10.7,-8.25) 36(-10.7,-8.75) 73(10.7,-8.75) 74(10.7,-8.25) 75(10.7,-7.75) 76(10.7,-7.25) 77(10.7,-6.75) 78(10.7,-6.25) 79(10.7,-5.75) 80(10.7,-5.25) 81(10.7,-4.75) 82(10.7,-4.25) 83(10.7,-3.75) 84(10.7,-3.25) 85(10.7,-2.75) 86(10.7,-2.25) 87(10.7,-1.75) 88(10.7,-1.25) 89(10.7,-0.75) 90(10.7,-0.25) 91(10.7,0.25) 92(10.7,0.75) 93(10.7,1.25) 94(10.7,1.75) 95(10.7,2.25) 96(10.7,2.75) 97(10.7,3.25) 98(10.7,3.75) 99(10.7,4.25) 100(10.7,4.75) 101(10.7,5.25) 102(10.7,5.75) 103(10.7,6.25) 104(10.7,6.75) 105(10.7,7.25) 106(10.7,7.75) 107(10.7,8.25) 108(10.7,8.75)
  rect 0.3x1.55 smd: 37(-8.75,-10.7) 38(-8.25,-10.7) 39(-7.75,-10.7) 40(-7.25,-10.7) 41(-6.75,-10.7) 42(-6.25,-10.7) 43(-5.75,-10.7) 44(-5.25,-10.7) 45(-4.75,-10.7) 46(-4.25,-10.7) 47(-3.75,-10.7) 48(-3.25,-10.7) 49(-2.75,-10.7) 50(-2.25,-10.7) 51(-1.75,-10.7) 52(-1.25,-10.7) 53(-0.75,-10.7) 54(-0.25,-10.7) 55(0.25,-10.7) 56(0.75,-10.7) 57(1.25,-10.7) 58(1.75,-10.7) 59(2.25,-10.7) 60(2.75,-10.7) 61(3.25,-10.7) 62(3.75,-10.7) 63(4.25,-10.7) 64(4.75,-10.7) 65(5.25,-10.7) 66(5.75,-10.7) 67(6.25,-10.7) 68(6.75,-10.7) 69(7.25,-10.7) 70(7.75,-10.7) 71(8.25,-10.7) 72(8.75,-10.7) 109(8.75,10.7) 110(8.25,10.7) 111(7.75,10.7) 112(7.25,10.7) 113(6.75,10.7) 114(6.25,10.7) 115(5.75,10.7) 116(5.25,10.7) 117(4.75,10.7) 118(4.25,10.7) 119(3.75,10.7) 120(3.25,10.7) 121(2.75,10.7) 122(2.25,10.7) 123(1.75,10.7) 124(1.25,10.7) 125(0.75,10.7) 126(0.25,10.7) 127(-0.25,10.7) 128(-0.75,10.7) 129(-1.25,10.7) 130(-1.75,10.7) 131(-2.25,10.7) 132(-2.75,10.7) 133(-3.25,10.7) 134(-3.75,10.7) 135(-4.25,10.7) 136(-4.75,10.7) 137(-5.25,10.7) 138(-5.75,10.7) 139(-6.25,10.7) 140(-6.75,10.7) 141(-7.25,10.7) 142(-7.75,10.7) 143(-8.25,10.7) 144(-8.75,10.7)
MAX_TEMP_DB
  round 2.54 hole 2.54 unplated: (0,19.251)
  rect 1.524x1.524 hole 1: 1(-5.08,-1.27)
  round 1.524 hole 1: 2(-5.08,1.27) 3(-2.54,-1.27) 4(-2.54,1.27) 5(0,-1.27) 6(0,1.27) 7(2.54,-1.27) 8(2.54,1.27) 9(5.08,-1.27) 10(5.08,1.27)
MCCQ-122-minibladefuseholder
  oval 2x3.5 hole 1x2.1: 1(0,0) 1(3.7,0) 2(7.7,0) 2(11.4,0)
MountingHole_4.3mm_M4
  round 4.3 hole 4.3 unplated: (0,0)
NetTie-2_SMD_Pad0.5mm
  round 0.5 smd: 1(-0.5,0) 2(0.5,0)
PinHeader_1x02_P2.54mm_Vertical
  rect 1.7x1.7 hole 1: 1(0,0)
  oval 1.7x1.7 hole 1: 2(0,-2.54)
PinHeader_1x03_P2.54mm_Vertical
  rect 1.7x1.7 hole 1: 1(0,0)
  oval 1.7x1.7 hole 1: 2(0,-2.54) 3(0,-5.08)
QFN-16-1EP_3x3mm_P0.5mm_EP1.8x1.8mm
  rect 0.73x0.73 smd: (-0.45,0.45) (-0.45,-0.45) (0.45,0.45) (0.45,-0.45)
  oval 0.75x0.3 smd: 1(-1.475,0.75) 2(-1.475,0.25) 3(-1.475,-0.25) 4(-1.475,-0.75) 9(1.475,-0.75) 10(1.475,-0.25) 11(1.475,0.25) 12(1.475,0.75)
  oval 0.3x0.75 smd: 5(-0.75,-1.475) 6(-0.25,-1.475) 7(0.25,-1.475) 8(0.75,-1.475) 13(0.75,1.475) 14(0.25,1.475) 15(-0.25,1.475) 16(-0.75,1.475)
  rect 1.8x1.8 smd: 17(0,0)
R_0402_1005Metric_Wbry
  rrect 0.5x0.6 smd: 1(-0.5,0) 2(0.5,0)
R_0603_1608Metric_Wbry
  rrect 0.9x0.8 smd: 1(-0.85,0) 2(0.85,0)
R_1206_3216Metric
  rrect 1.25x1.75 smd: 1(-1.4,0) 2(1.4,0)
R_1206_3216Metric_Pad1.24x1.80mm_HandSolder
  rect 1.245x1.8 smd: 1(-1.593,0) 2(1.593,0)
RJ11_6P6C_half_shield
  round 3.2 hole 3.2 unplated: (-5.08,0) (5.08,0)
  rect 1.4x1.4 hole 0.89: 1(-3.175,8.89)
  round 1.4 hole 0.89: 2(-1.905,6.35) 4(0.635,6.35) 5(1.905,8.89) 6(3.175,6.35)
  round 1.4 hole 0.8: 3(-0.635,8.89)
  round 3 hole 1.7: 7(-6.75,-3.05) 8(6.75,-3.05)
RJ45+MAG
  round 3.299 hole 3.299 unplated: (-5.715,0) (5.715,0)
  rect 1.524x1.524 hole 1.001: 1(4.44,-6.35)
  round 1.524 hole 1.001: 2(3.175,-8.89) 3(1.9,-6.35) 4(0.635,-8.89) 5(-0.64,-6.35) 6(-1.905,-8.89) 7(-3.18,-6.35) 8(-4.445,-8.89)
  round 1.524 hole 1.199: 9(6.624,4.9) 10(4.084,4.9) 11(-4.084,4.9) 12(-6.624,4.9)
  round 2.54 hole 1.75: 13(7.747,-3.051) 14(-7.747,-3.048)
screwt-barrier-9.5mm-1x6
  round 1 hole 0.6: 1(21.75,0) 1(23.75,2) 1(23.75,-2) 1(25.75,0) 2(12.25,0) 2(14.25,2) 2(14.25,-2) 2(16.25,0) 3(2.75,0) 3(4.75,2) 3(4.75,-2) 3(6.75,0) 4(-6.75,0) 4(-4.75,2) 4(-4.75,-2) 4(-2.75,0) 5(-16.25,0) 5(-14.25,2) 5(-14.25,-2) 5(-12.25,0) 6(-25.75,0) 6(-23.75,2) 6(-23.75,-2) 6(-21.75,0)
  rect 5x5 hole 1.9: 1(23.75,0) 1(23.75,0)
  round 3 hole 1.9: 2(14.25,0) 3(4.75,0) 4(-4.75,0) 5(-14.25,0) 6(-23.75,0)
  round 5 hole 1.9: 2(14.25,0) 3(4.75,0) 4(-4.75,0) 5(-14.25,0) 6(-23.75,0)
SO8_EP1_ThermalVias_LargeCopper
  rect 2.2x0.8 smd: 1(-2.87,1.905) 2(-2.87,0.635) 3(-2.87,-0.635) 4(-2.87,-1.905) 5(2.87,-1.905) 6(2.87,-0.635) 7(2.87,0.635) 8(2.87,1.905)
  round 0.6 hole 0.3: 9(-0.6,1.2) 9(-0.6,0.4) 9(-0.6,-0.4) 9(-0.6,-1.2) 9(0.6,1.2) 9(0.6,0.4) 9(0.6,-0.4) 9(0.6,-1.2)
  rect 1.2x1.6 smd: 9(-0.6,0.8) 9(-0.6,-0.8) 9(0.6,0.8) 9(0.6,-0.8)
  rect 2.71x3.7 smd: 9(0,0)
  rect 2.71x3.7 smd far side: 9(0,0)
SOD-523F
  rect 0.8x0.5 smd: 1(1,0) 2(-1,0)
SOIC-8_3.9x4.9mm_P1.27mm
  rect 1.55x0.6 smd: 1(-2.7,1.905) 2(-2.7,0.635) 3(-2.7,-0.635) 4(-2.7,-1.905) 5(2.7,-1.905) 6(2.7,-0.635) 7(2.7,0.635) 8(2.7,1.905)
SOT-23
  rect 0.9x0.8 smd: 1(-1,0.95) 2(-1,-0.95) 3(1,0)
SOT-23-5
  rect 1.06x0.65 smd: 1(-1.1,0.95) 2(-1.1,0) 3(-1.1,-0.95) 4(1.1,-0.95) 5(1.1,0.95)
SOT-223
  rect 2x1.5 smd: 1(-3.15,2.3) 2(-3.15,0) 3(-3.15,-2.3)
  rect 2x3.8 smd: 4(3.15,0)
SOT-363
  rect 0.42x0.6 smd: 1(-0.65,-0.95) 2(0,-0.95) 3(0.65,-0.95) 4(0.65,0.95) 5(0,0.95) 6(-0.65,0.95)
SOT-363_SC-70-6
  rect 0.65x0.4 smd: 1(-0.95,0.65) 2(-0.95,0) 3(-0.95,-0.65) 4(0.95,-0.65) 5(0.95,0) 6(0.95,0.65)
SOT-563
  rect 0.67x0.3 smd: 1(-0.635,0.5) 2(-0.635,0) 3(-0.635,-0.5) 4(0.635,-0.5) 5(0.635,0) 6(0.635,0.5)
SW_SIDE_1_lugs
  round 0.85 hole 0.762 unplated: (0,1.35) (0,-1.35)
  rect 1.8x1.1 smd: 1(-2.5,-0.85) 2(2.5,-0.85) 3(2.5,0.85) 4(-2.5,0.85)
